# Altium PCB WUT-4-3-3.PcbDoc (part 3 of 4)
Units mil, origin at the board's own origin, x right, y up, seen from the top; angles counter-clockwise.
Board outline 3346.46 x 2204.72 mil, 4 copper layers (Top Layer, GND Plane, 3V3 Plane, Bottom Layer), stack 30.635 mil thick; 241 components, 333 nets, 1194 pads, 457 vias.
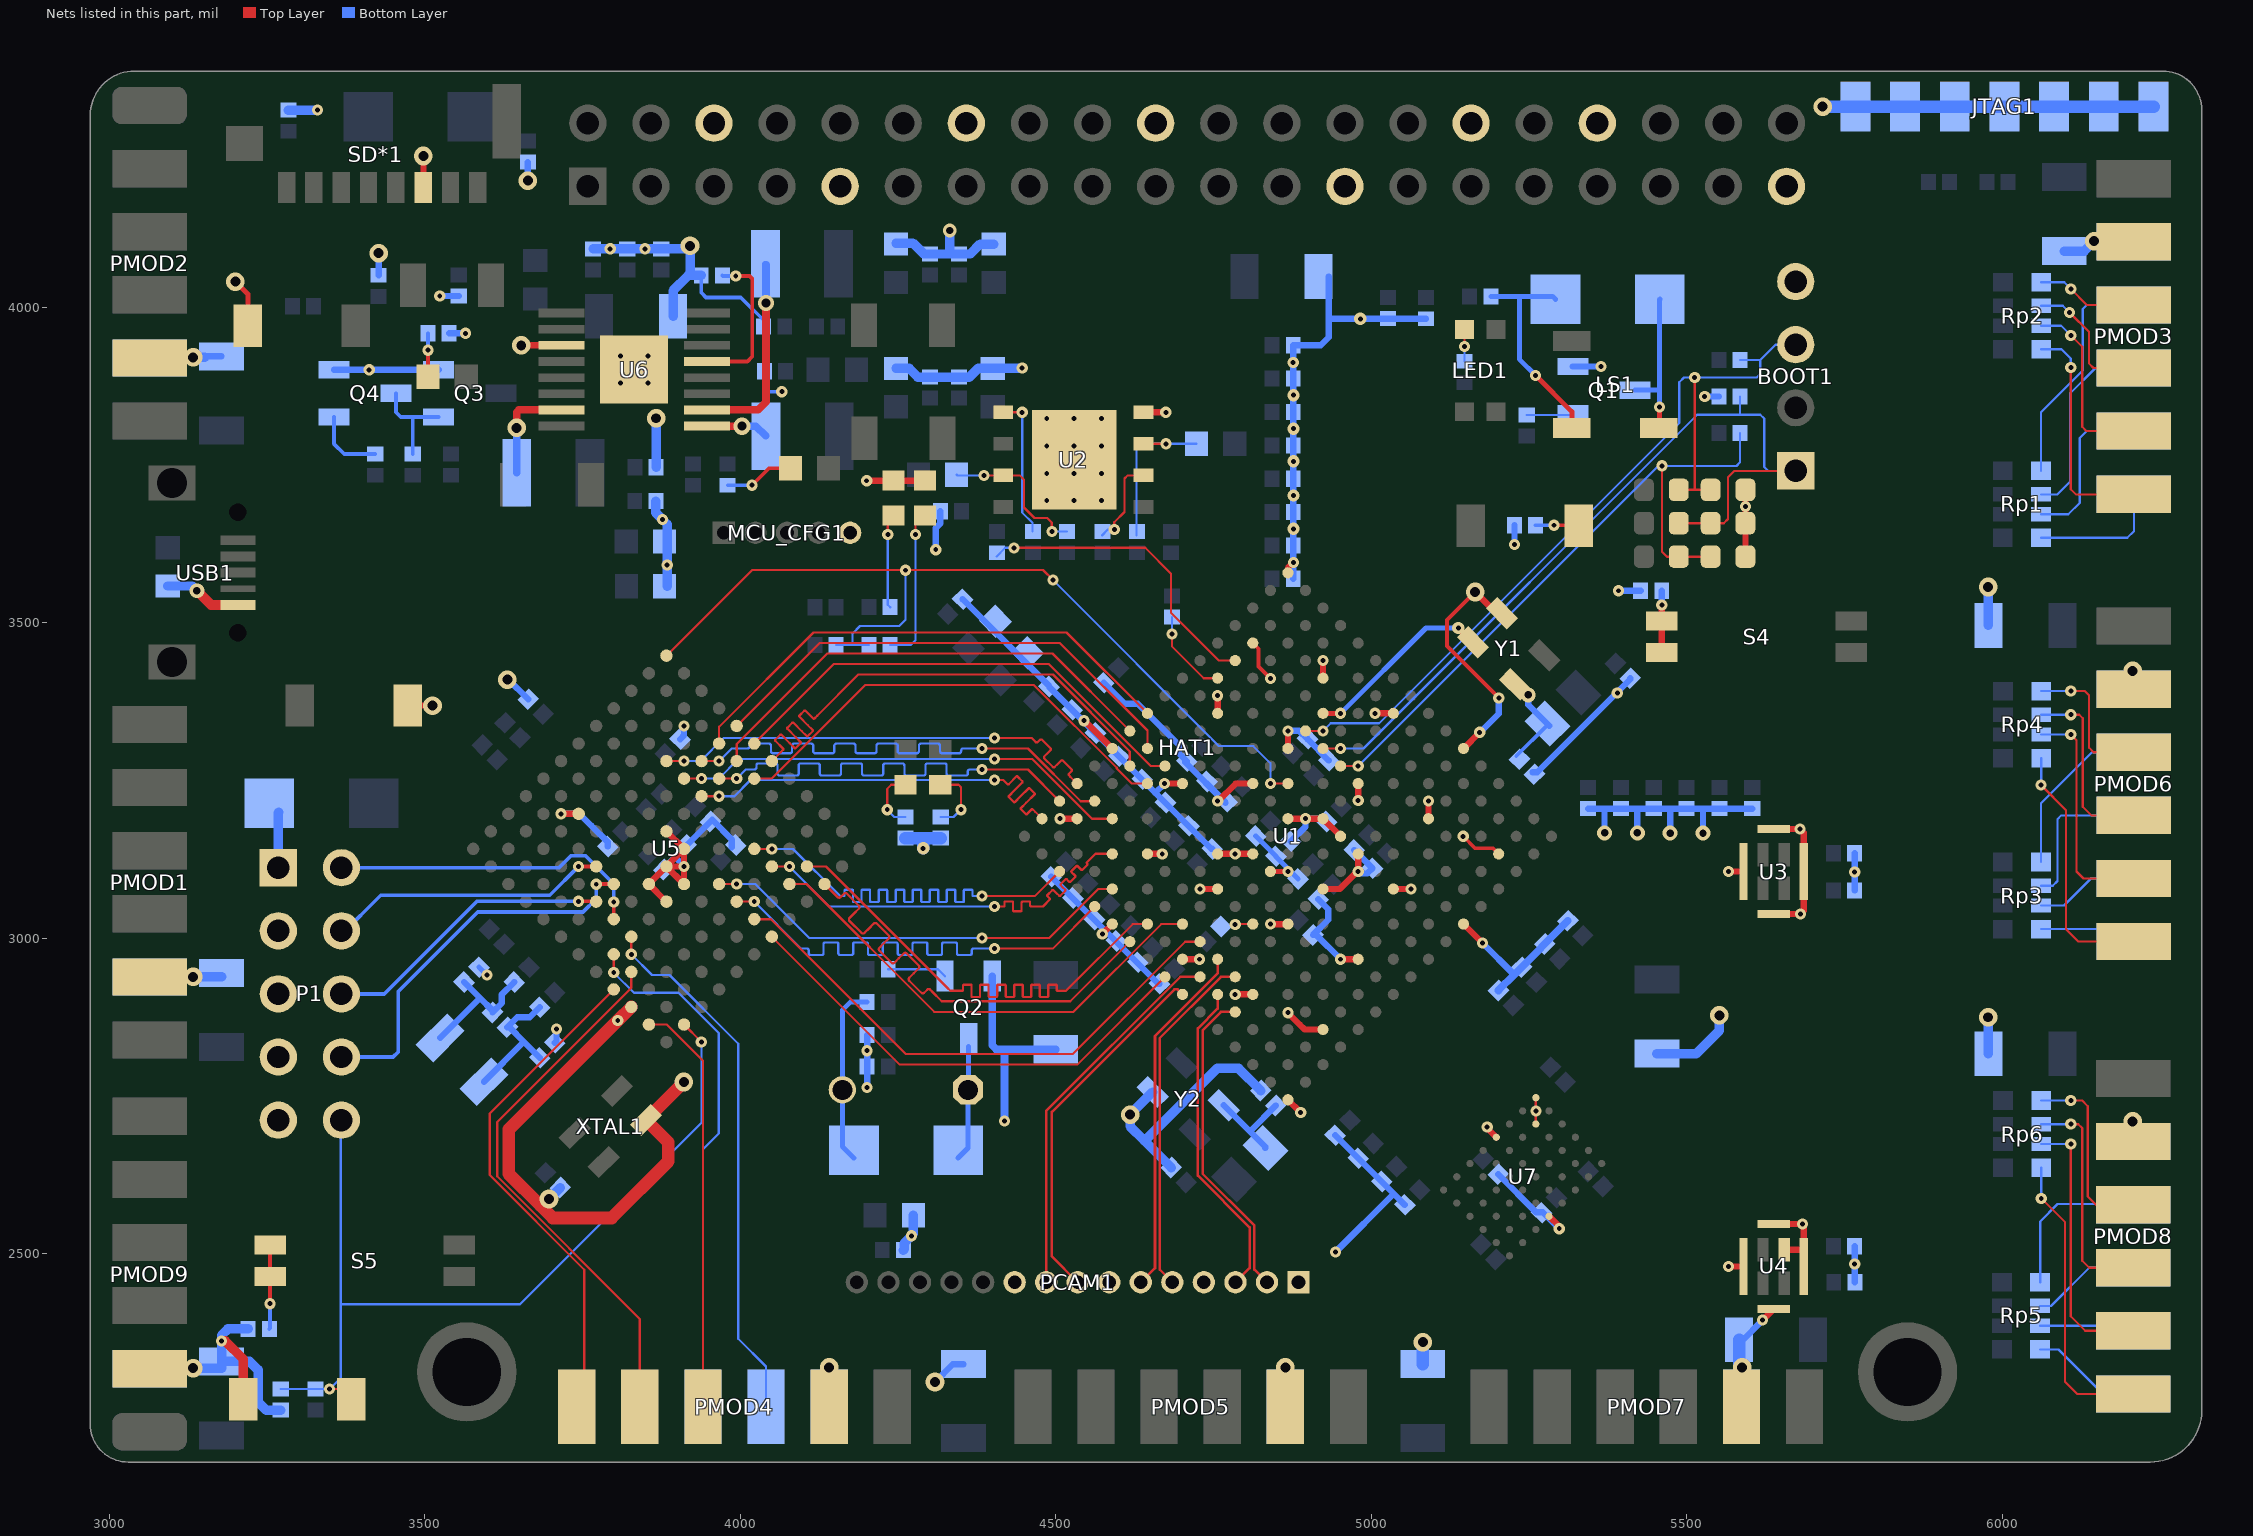
[diagram p5: the nets of this part, all layers, seen from the top]

## Via types
v1: diameter 17.72, hole 7.87, Top Layer to Bottom Layer, tented both sides, 363 vias
v2: diameter 29.53, hole 15.75, Top Layer to Bottom Layer, tented both sides, 51 vias
v3: diameter 19.68, hole 7.87, Top Layer to Bottom Layer, 16 vias
v4: diameter 23.62, hole 11.81, Top Layer to Bottom Layer, tented both sides, 11 vias
v5: diameter 19.68, hole 7.87, Top Layer to Bottom Layer, tented both sides, 9 vias
v6: diameter 25.59, hole 13.78, Top Layer to Bottom Layer, tented both sides, 3 vias
v7: diameter 25.59, hole 11.81, Top Layer to Bottom Layer, tented both sides, 2 vias
v8: diameter 21.65, hole 11.81, Top Layer to Bottom Layer, tented both sides, 1 vias
v9: diameter 27.56, hole 13.78, Top Layer to Bottom Layer, tented both sides, 1 vias

## Nets (pads, with @x,y where several pads share a name; then routed paths per layer and width w, separated by ;. In a path a pad name is that pad's centre, name@x,y a point inside that pad or via, vN(x,y) a via of type N, cw(c..) or ccw(c..) an arc to the next point about the centre after c; other vN are vias at no path point) (continued)
FB_AD20: U1.B12 U5.F9 | length 690.8
  Top Layer w3.5: U5.F9@3966.68,3086.16 v1(3994.52,3086.16) ; v1(4383.16,3000.52) 4489.9,3000.52 4567.7,3078.32 U1.B12@4589.77,3078.32
  Bottom Layer w3.5: v1(3994.52,3086.16) 4023.84,3086.16 4109.48,3000.52 v1(4383.16,3000.52)
FB_AD21: U1.A12 U5.F10 | length 818.9
  Top Layer w3.5: U5.F10@3994.52,3058.32 v1(4022.36,3058.32) ; v1(4403.16,2983.8) 4495.25,2983.8 U1.A12@4561.93,3050.48
  Bottom Layer w3.5: v1(4022.36,3058.32) 4096.87,2983.8 4106.27,2983.8 cw(c4106.27,2981.45) 4108.62,2981.45 4108.62,2976.15 ccw(c4110.97,2976.15) 4110.97,2973.8 4129.77,2973.8 ccw(c4129.77,2976.15) 4132.12,2976.15 4132.12,2983.8 4132.12,2991.17 cw(c4134.47,2991.17) 4134.47,2993.52 4153.27,2993.52 cw(c4153.27,2991.17) 4155.62,2991.17 4155.62,2983.8 4155.62,2976.15 ccw(c4157.97,2976.15) 4157.97,2973.8 4176.77,2973.8 ccw(c4176.77,2976.15) 4179.12,2976.15 4179.12,2983.8 4179.12,2991.17 cw(c4181.47,2991.17) 4181.47,2993.52 4200.27,2993.52 cw(c4200.27,2991.17) 4202.62,2991.17 4202.62,2983.8 4202.62,2976.15 ccw(c4204.97,2976.15) 4204.97,2973.8 4223.77,2973.8 ccw(c4223.77,2976.15) 4226.12,2976.15 4226.12,2983.8 4226.12,2991.17 cw(c4228.47,2991.17) 4228.47,2993.52 4247.27,2993.52 cw(c4247.27,2991.17) 4249.62,2991.17 4249.62,2983.8 4249.62,2976.15 ccw(c4251.97,2976.15) 4251.97,2973.8 4270.77,2973.8 ccw(c4270.77,2976.15) 4273.12,2976.15 4273.12,2983.8 4273.12,2991.17 cw(c4275.47,2991.17) 4275.47,2993.52 4294.27,2993.52 cw(c4294.27,2991.17) 4296.62,2991.17 4296.62,2983.8 4296.62,2976.15 ccw(c4298.97,2976.15) 4298.97,2973.8 4317.77,2973.8 ccw(c4317.77,2976.15) 4320.12,2976.15 4320.12,2983.8 4320.12,2991.17 cw(c4322.47,2991.17) 4322.47,2993.52 4341.27,2993.52 cw(c4341.27,2991.17) 4343.62,2991.17 4343.62,2983.8 4343.62,2976.15 ccw(c4345.97,2976.15) 4345.97,2973.8 4364.77,2973.8 ccw(c4364.77,2976.15) 4367.12,2976.15 4367.12,2981.45 cw(c4369.47,2981.45) 4369.47,2983.8 4371,2983.8 v1(4403.16,2983.8)
FB_AD22: U1.C8 U5.F11 | length 869
  Top Layer w3.5: U5.F11@4022.36,3030.48 4048.84,3030.48 4262.67,2816.65 4527.11,2816.65 4705.26,2994.81 U1.C8@4728.97,2994.81
FB_AD23: U1.A8 U5.F12 | length 764.7
  Top Layer w3.5: U5.F12@4050.19,3002.64 4252.9,2799.93 4534.1,2799.93 U1.A8@4673.29,2939.13
FB_AD24: U1.G16 U5.B6 | length 760.4
  Top Layer w3.5: U5.B6@3994.52,3281.03 3994.52,3308.19 4137.87,3451.54 4494.94,3451.54 U1.G16@4617.61,3328.87
FB_AD25: U1.C16 U5.C6 | length 729.1
  Top Layer w3.5: U5.C6@3966.68,3253.19 v1(3994.52,3253.19) ; v1(4383.16,3267.67) 4456.1,3267.67 U1.C16@4506.26,3217.52
  Bottom Layer w3.5: v1(3994.52,3253.19) 4009,3267.67 4022.4,3267.67 ccw(c4022.4,3271.02) 4025.75,3271.02 4025.75,3274.04 cw(c4029.1,3274.04) 4029.1,3277.39 4055.9,3277.39 cw(c4055.9,3274.04) 4059.25,3274.04 4059.25,3267.67 4059.25,3261.31 ccw(c4062.6,3261.31) 4062.6,3257.96 4089.4,3257.96 ccw(c4089.4,3261.31) 4092.75,3261.31 4092.75,3267.67 4092.75,3274.04 cw(c4096.1,3274.04) 4096.1,3277.39 4122.9,3277.39 cw(c4122.9,3274.04) 4126.25,3274.04 4126.25,3267.67 4126.25,3261.31 ccw(c4129.6,3261.31) 4129.6,3257.96 4156.4,3257.96 ccw(c4156.4,3261.31) 4159.75,3261.31 4159.75,3267.67 4159.75,3274.04 cw(c4163.1,3274.04) 4163.1,3277.39 4189.9,3277.39 cw(c4189.9,3274.04) 4193.25,3274.04 4193.25,3267.67 4193.25,3261.31 ccw(c4196.6,3261.31) 4196.6,3257.96 4223.4,3257.96 ccw(c4223.4,3261.31) 4226.75,3261.31 4226.75,3267.67 4226.75,3274.04 cw(c4230.1,3274.04) 4230.1,3277.39 4256.9,3277.39 cw(c4256.9,3274.04) 4260.25,3274.04 4260.25,3267.67 4260.25,3261.31 ccw(c4263.6,3261.31) 4263.6,3257.96 4290.4,3257.96 ccw(c4290.4,3261.31) 4293.75,3261.31 4293.75,3267.67 4293.75,3274.04 cw(c4297.1,3274.04) 4297.1,3277.39 4323.9,3277.39 cw(c4323.9,3274.04) 4327.25,3274.04 4327.25,3267.67 4327.25,3261.31 ccw(c4330.6,3261.31) 4330.6,3257.96 4357.4,3257.96 ccw(c4357.4,3261.31) 4360.75,3261.31 4360.75,3264.32 cw(c4364.1,3264.32) 4364.1,3267.67 4372,3267.67 v1(4383.16,3267.67)
FB_AD26: U1.B16 U5.D6 | length 701.2
  Top Layer w3.5: U5.D6@3938.84,3225.36 v1(3966.68,3225.36) ; v1(4403.16,3250.96) 4417.14,3250.96 4419.05,3249.05 4423.64,3244.46 ccw(c4424.59,3245.41) 4425.55,3244.46 4437.78,3256.69 cw(c4438.73,3255.74) 4439.69,3256.69 4447.32,3249.06 cw(c4446.37,3248.1) 4447.32,3247.15 4434.14,3233.96 4425.99,3225.81 ccw(c4426.95,3224.86) 4425.99,3223.9 4433.63,3216.27 ccw(c4434.58,3217.22) 4435.54,3216.27 4443.68,3224.41 4456.87,3237.6 cw(c4457.82,3236.65) 4458.78,3237.6 4466.42,3229.96 cw(c4465.46,3229.01) 4466.42,3228.05 4453.23,3214.87 4445.08,3206.72 ccw(c4446.04,3205.77) 4445.08,3204.81 4452.72,3197.18 ccw(c4453.68,3198.13) 4454.63,3197.18 4461.82,3204.37 cw(c4462.77,3203.41) 4463.73,3204.37 4467.55,3200.55 U1.B16@4478.42,3189.68
  Bottom Layer w3.5: v1(3966.68,3225.36) 3990.87,3225.35 4016.47,3250.96 4210,3250.96 4392,3250.96 v1(4403.16,3250.96)
FB_AD27: U1.F15 U5.A7 | length 859.7
  Top Layer w3.5: U5.A7@4050.19,3281.03 4064.24,3295.08 4068.06,3298.9 ccw(c4067.11,3299.85) 4068.06,3300.81 4055.83,3313.04 cw(c4056.78,3314) 4055.83,3314.95 4063.47,3322.59 cw(c4064.42,3321.63) 4065.37,3322.59 4078.56,3309.4 4086.24,3301.72 ccw(c4087.19,3302.68) 4088.15,3301.72 4095.79,3309.36 ccw(c4094.83,3310.31) 4095.79,3311.27 4088.11,3318.95 4074.92,3332.13 cw(c4075.87,3333.09) 4074.92,3334.04 4082.56,3341.68 cw(c4083.51,3340.73) 4084.47,3341.68 4097.65,3328.49 4105.33,3320.82 ccw(c4106.29,3321.77) 4107.24,3320.82 4114.88,3328.45 ccw(c4113.92,3329.41) 4114.88,3330.36 4107.2,3338.04 4094.01,3351.23 cw(c4094.97,3352.18) 4094.01,3353.14 4101.65,3360.77 cw(c4102.6,3359.82) 4103.56,3360.77 4115.79,3348.54 ccw(c4116.75,3349.49) 4117.7,3348.54 4122.08,3352.92 4187.28,3418.11 4495.82,3418.11 4617.61,3296.32 U1.F15@4617.61,3273.19
FB_AD28: U1.B10 U5.C11 | length 864.9
  Top Layer w3.5: U5.C11@4105.87,3114 4136,3114 4324,2926 4328.77,2921.23 4333.06,2916.94 4339.81,2916.94 4351.96,2916.94 ccw(c4351.96,2918.29) 4353.31,2918.29 4353.31,2925.31 cw(c4354.66,2925.31) 4354.66,2926.66 4365.46,2926.66 cw(c4365.46,2925.31) 4366.81,2925.31 4366.81,2916.94 4366.81,2908.58 ccw(c4368.16,2908.58) 4368.16,2907.23 4378.96,2907.23 ccw(c4378.96,2908.58) 4380.31,2908.58 4380.31,2916.94 4380.31,2925.31 cw(c4381.66,2925.31) 4381.66,2926.66 4392.46,2926.66 cw(c4392.46,2925.31) 4393.81,2925.31 4393.81,2916.94 4393.81,2908.58 ccw(c4395.16,2908.58) 4395.16,2907.23 4405.96,2907.23 ccw(c4405.96,2908.58) 4407.31,2908.58 4407.31,2916.94 4407.31,2925.31 cw(c4408.66,2925.31) 4408.66,2926.66 4419.46,2926.66 cw(c4419.46,2925.31) 4420.81,2925.31 4420.81,2916.94 4420.81,2908.58 ccw(c4422.16,2908.58) 4422.16,2907.23 4432.96,2907.23 ccw(c4432.96,2908.58) 4434.31,2908.58 4434.31,2916.94 4434.31,2925.31 cw(c4435.66,2925.31) 4435.66,2926.66 4446.46,2926.66 cw(c4446.46,2925.31) 4447.81,2925.31 4447.81,2916.94 4447.81,2908.58 ccw(c4449.16,2908.58) 4449.16,2907.23 4459.96,2907.23 ccw(c4459.96,2908.58) 4461.31,2908.58 4461.31,2916.94 4461.31,2925.31 cw(c4462.66,2925.31) 4462.66,2926.66 4473.46,2926.66 cw(c4473.46,2925.31) 4474.81,2925.31 4474.81,2916.94 4474.81,2908.58 ccw(c4476.16,2908.58) 4476.16,2907.23 4486.96,2907.23 ccw(c4486.96,2908.58) 4488.31,2908.58 4488.31,2916.94 4488.31,2925.31 cw(c4489.66,2925.31) 4489.66,2926.66 4500.46,2926.66 cw(c4500.46,2925.31) 4501.81,2925.31 4501.81,2918.29 ccw(c4503.16,2918.29) 4503.16,2916.94 4511,2916.94 4516.35,2916.94 4622.05,3022.64 U1.B10@4645.45,3022.64
FB_AD29: U1.A10 U5.C12 | length 745.3
  Top Layer w3.5: U5.C12@4133.71,3086.16 4144.87,3075 4154.35,3065.52 ccw(c4156.72,3067.89) 4159.08,3065.52 4164.46,3070.9 cw(c4166.83,3068.53) 4169.2,3070.9 4188.15,3051.95 cw(c4185.78,3049.58) 4188.15,3047.21 4180.4,3039.47 4173.4,3032.46 ccw(c4175.77,3030.09) 4173.4,3027.73 4192.35,3008.77 ccw(c4194.72,3011.14) 4197.09,3008.77 4204.09,3015.78 4211.84,3023.53 cw(c4214.21,3021.16) 4216.58,3023.53 4235.53,3004.58 cw(c4233.16,3002.21) 4235.53,2999.84 4227.78,2992.09 4220.78,2985.09 ccw(c4223.14,2982.72) 4220.78,2980.35 4239.73,2961.4 ccw(c4242.09,2963.77) 4244.46,2961.4 4251.47,2968.4 4259.21,2976.15 cw(c4261.58,2973.78) 4263.95,2976.15 4282.9,2957.2 cw(c4280.53,2954.83) 4282.9,2952.46 4275.16,2944.72 4268.15,2937.71 ccw(c4270.52,2935.34) 4268.15,2932.97 4287.1,2914.02 ccw(c4289.47,2916.39) 4291.84,2914.02 4296.48,2918.66 cw(c4298.84,2916.29) 4301.21,2918.66 4303.99,2915.89 4319.65,2900.23 4523.03,2900.23 U1.A10@4617.61,2994.81
FB_AD30: U1.A14 U5.D9 | length 803.8
  Top Layer w3.5: U5.D9@4022.36,3141.84 v1(4050.19,3141.84) ; v1(4383.16,3067.38) 4467.48,3067.38 U1.A14@4506.26,3106.16
  Bottom Layer w3.5: v1(4050.19,3141.84) 4083.85,3141.84 4158.31,3067.38 4158.77,3067.38 4164.16,3067.38 ccw(c4164.16,3068.73) 4165.52,3068.73 4165.52,3075.75 cw(c4166.86,3075.75) 4166.86,3077.1 4177.66,3077.1 cw(c4177.66,3075.75) 4179.02,3075.75 4179.02,3067.38 4179.02,3059.01 ccw(c4180.36,3059.01) 4180.36,3057.66 4191.16,3057.66 ccw(c4191.16,3059.01) 4192.52,3059.01 4192.52,3067.38 4192.52,3075.75 cw(c4193.86,3075.75) 4193.86,3077.1 4204.66,3077.1 cw(c4204.66,3075.75) 4206.02,3075.75 4206.02,3067.38 4206.02,3059.01 ccw(c4207.36,3059.01) 4207.36,3057.66 4218.16,3057.66 ccw(c4218.16,3059.01) 4219.52,3059.01 4219.52,3067.38 4219.52,3075.75 cw(c4220.86,3075.75) 4220.86,3077.1 4231.66,3077.1 cw(c4231.66,3075.75) 4233.02,3075.75 4233.02,3067.38 4233.02,3059.01 ccw(c4234.36,3059.01) 4234.36,3057.66 4245.16,3057.66 ccw(c4245.16,3059.01) 4246.52,3059.01 4246.52,3067.38 4246.52,3075.75 cw(c4247.86,3075.75) 4247.86,3077.1 4258.66,3077.1 cw(c4258.66,3075.75) 4260.02,3075.75 4260.02,3067.38 4260.02,3059.01 ccw(c4261.36,3059.01) 4261.36,3057.66 4272.16,3057.66 ccw(c4272.16,3059.01) 4273.52,3059.01 4273.52,3067.38 4273.52,3075.75 cw(c4274.86,3075.75) 4274.86,3077.1 4285.66,3077.1 cw(c4285.66,3075.75) 4287.02,3075.75 4287.02,3067.38 4287.02,3059.01 ccw(c4288.36,3059.01) 4288.36,3057.66 4299.16,3057.66 ccw(c4299.16,3059.01) 4300.52,3059.01 4300.52,3067.38 4300.52,3075.75 cw(c4301.86,3075.75) 4301.86,3077.1 4312.66,3077.1 cw(c4312.66,3075.75) 4314.02,3075.75 4314.02,3067.38 4314.02,3059.01 ccw(c4315.36,3059.01) 4315.36,3057.66 4326.16,3057.66 ccw(c4326.16,3059.01) 4327.52,3059.01 4327.52,3067.38 4327.52,3075.75 cw(c4328.86,3075.75) 4328.86,3077.1 4339.66,3077.1 cw(c4339.66,3075.75) 4341.02,3075.75 4341.02,3067.38 4341.02,3059.01 ccw(c4342.36,3059.01) 4342.36,3057.66 4353.16,3057.66 ccw(c4353.16,3059.01) 4354.52,3059.01 4354.52,3067.38 4354.52,3075.75 cw(c4355.86,3075.75) 4355.86,3077.1 4366.66,3077.1 cw(c4366.66,3075.75) 4368.02,3075.75 4368.02,3068.73 ccw(c4369.36,3068.73) 4369.36,3067.38 4373,3067.38 v1(4383.16,3067.38)
FB_AD31: U1.C13 U5.D10 | length 703
  Top Layer w3.5: U5.D10@4050.19,3114 v1(4078.03,3114) ; v1(4403.16,3050.67) 4405.58,3050.67 4417.73,3050.67 ccw(c4417.73,3052.02) 4419.08,3052.02 4419.08,3056.99 cw(c4420.43,3056.99) 4420.43,3058.34 4431.23,3058.34 cw(c4431.23,3056.99) 4432.58,3056.99 4432.58,3050.67 4432.58,3044.34 ccw(c4433.93,3044.34) 4433.93,3042.99 4444.73,3042.99 ccw(c4444.73,3044.34) 4446.08,3044.34 4446.08,3050.67 4446.08,3056.99 cw(c4447.43,3056.99) 4447.43,3058.34 4458.23,3058.34 cw(c4458.23,3056.99) 4459.58,3056.99 4459.58,3052.02 ccw(c4460.93,3052.02) 4460.93,3050.67 4473.08,3050.67 4479.83,3050.67 4491,3061.84 ccw(c4490.43,3062.41) 4491,3062.97 4487.09,3066.88 cw(c4488.05,3067.83) 4487.09,3068.79 4494.73,3076.43 cw(c4495.68,3075.47) 4496.64,3076.43 4501.11,3071.95 4505.59,3067.48 ccw(c4506.54,3068.43) 4507.5,3067.48 4515.13,3075.11 ccw(c4514.18,3076.07) 4515.13,3077.02 4510.66,3081.5 4508.02,3084.14 cw(c4508.97,3085.09) 4508.02,3086.05 4515.65,3093.69 cw(c4516.61,3092.73) 4517.56,3093.69 4520.2,3091.04 4521.53,3089.72 ccw(c4522.48,3090.68) 4523.43,3089.72 4531.07,3097.36 ccw(c4530.12,3098.31) 4531.07,3099.27 4529.75,3100.59 4525.28,3105.06 cw(c4526.23,3106.02) 4525.28,3106.97 4532.91,3114.61 cw(c4533.87,3113.65) 4534.82,3114.61 4539.3,3110.14 4540.63,3108.8 ccw(c4541.59,3109.75) 4542.54,3108.8 4550.18,3116.43 ccw(c4549.23,3117.39) 4550.18,3118.34 4549.8,3118.73 cw(c4550.75,3119.68) 4549.8,3120.64 4558.39,3129.23 4563.16,3134 U1.C13@4589.77,3134
  Bottom Layer w3.5: v1(4078.03,3114) 4141.37,3050.67 v1(4403.16,3050.67)
FB_ALE: U1.G15 U5.A5 | length 791.4
  Top Layer w3.5: U5.A5@3994.52,3336.71 4126.07,3468.26 4506.74,3468.26 4645.45,3329.55 U1.G15@4645.45,3301.03
FB_BE7_0: U1.H16 U5.B5 | length 820.9
  Top Layer w3.5: U5.B5@3966.68,3308.87 3966.68,3335.36 4116.3,3484.98 4518.16,3484.98 4518.16,3484 U1.H16@4645.45,3356.71
FB_BE15_8: U1.D15 U5.C5 | length 787.9
  Top Layer w3.5: U5.C5@3938.84,3281.03 v1(3966.68,3281.03) ; v1(4383.16,3301.11) 4456.27,3301.11 4539.86,3217.52 U1.D15@4561.93,3217.52
  Bottom Layer w3.5: v1(3966.68,3281.03) 3986.75,3301.11 3994.52,3301.11 4011.9,3301.11 ccw(c4011.9,3304.46) 4015.25,3304.46 4015.25,3305.43 cw(c4018.6,3305.43) 4018.6,3308.78 4045.4,3308.78 cw(c4045.4,3305.43) 4048.75,3305.43 4048.75,3301.11 4048.75,3296.78 ccw(c4052.1,3296.78) 4052.1,3293.43 4078.9,3293.43 ccw(c4078.9,3296.78) 4082.25,3296.78 4082.25,3301.11 4082.25,3305.43 cw(c4085.6,3305.43) 4085.6,3308.78 4112.4,3308.78 cw(c4112.4,3305.43) 4115.75,3305.43 4115.75,3301.11 4115.75,3296.78 ccw(c4119.1,3296.78) 4119.1,3293.43 4145.9,3293.43 ccw(c4145.9,3296.78) 4149.25,3296.78 4149.25,3301.11 4149.25,3305.43 cw(c4152.6,3305.43) 4152.6,3308.78 4179.4,3308.78 cw(c4179.4,3305.43) 4182.75,3305.43 4182.75,3301.11 4182.75,3296.78 ccw(c4186.1,3296.78) 4186.1,3293.43 4212.9,3293.43 ccw(c4212.9,3296.78) 4216.25,3296.78 4216.25,3301.11 4216.25,3305.43 cw(c4219.6,3305.43) 4219.6,3308.78 4246.4,3308.78 cw(c4246.4,3305.43) 4249.75,3305.43 4249.75,3301.11 4249.75,3296.78 ccw(c4253.1,3296.78) 4253.1,3293.43 4279.9,3293.43 ccw(c4279.9,3296.78) 4283.25,3296.78 4283.25,3301.11 4283.25,3305.43 cw(c4286.6,3305.43) 4286.6,3308.78 4313.4,3308.78 cw(c4313.4,3305.43) 4316.75,3305.43 4316.75,3301.11 4316.75,3296.78 ccw(c4320.1,3296.78) 4320.1,3293.43 4346.9,3293.43 ccw(c4346.9,3296.78) 4350.25,3296.78 4350.25,3297.76 cw(c4353.6,3297.76) 4353.6,3301.11 4367,3301.11 v1(4383.16,3301.11)
FB_BE23_16: U1.G14 U5.A6 | length 770.1
  Top Layer w3.5: U5.A6@4022.36,3308.87 4148.31,3434.83 4489.01,3434.83 4650.64,3273.19 U1.G14@4673.29,3273.19
FB_BE31_24: U1.D14 U5.D5 | length 730.9
  Top Layer w3.5: U5.D5@3911,3253.19 v1(3938.84,3253.19) ; v1(4403.16,3284.39) 4462.99,3284.39 4557.7,3189.68 U1.D14@4589.77,3189.68
  Bottom Layer w3.5: v1(3938.84,3253.19) 3965.87,3253.19 3997.07,3284.39 v1(4403.16,3284.39)
FB_CS0: U1.D16 U5.D4 | length 744.4
  Top Layer w3.5: U5.D4@3883.16,3281.03 v1(3911,3281.03) ; v1(4403.16,3317.82) 4461.63,3317.82 4468.28,3311.17 ccw(c4469.94,3312.84) 4471.6,3311.17 4475.18,3314.75 cw(c4476.84,3313.09) 4478.5,3314.75 4491.8,3301.46 cw(c4490.14,3299.8) 4491.8,3298.14 4486.56,3292.9 4482.13,3288.47 ccw(c4483.79,3286.81) 4482.13,3285.15 4495.42,3271.85 ccw(c4497.08,3273.51) 4498.75,3271.85 4503.17,3276.28 4508.41,3281.52 cw(c4510.08,3279.86) 4511.74,3281.52 4525.03,3268.23 cw(c4523.37,3266.57) 4525.03,3264.9 4521.45,3261.32 ccw(c4523.11,3259.66) 4521.45,3258 4523.23,3256.23 U1.D16@4534.1,3245.36
  Bottom Layer w3.5: v1(3911,3281.03) 3937.36,3281.03 3974.14,3317.82 v1(4403.16,3317.82)
FB_OE: U1.C9 U5.D11 | length 764.7
  Top Layer w3.5: U5.D11@4078.03,3086.16 4105.07,3086.16 4307.72,2883.51 4528.39,2883.51 4667.52,3022.64 U1.C9@4701.13,3022.64
FB_RW: U1.F14 U5.B7 | length 749.8
  Top Layer w3.5: U5.B7@4022.36,3253.19 4049.52,3253.19 4197.72,3401.4 4465.7,3401.4 4596.77,3270.33 4596.77,3269.17 4620.58,3245.36 U1.F14@4645.45,3245.36
FPGA_INIT: R5.1 R8.2 U1.K10 U5.A1 | length 1442.9
  Top Layer w3.5: U5.A1@3883.16,3448.07 4019.1,3584 4480.07,3584 v1(4496.07,3568) ; v1(4840.32,3245.35) U1.K10@4868.16,3245.36
  Bottom Layer w3.5: R5.1@4152.1,3464.83 4178,3464.83 ; R8.2@4204.27,3464.83 4178,3464.83 ; v1(4262.16,3583.49) 4262.16,3505.14 4252.02,3495 4189.98,3495 4178,3483.02 4178,3464.83 ; v1(4496.07,3568) 4496.07,3567.53 4758.86,3304.74 4813.32,3304.74 4840.32,3277.74 v1(4840.32,3245.35)
FTM1_QDA: PMOD4.9 U5.K8 | length 849.4
  Top Layer w3.5: v1(3827.48,2974.81) U5.K8@3827.48,3002.64
  Bottom Layer w3.5: v1(3827.48,2974.81) 3860.29,2942 3888.13,2942 3997,2833.13 3997,2365.5 4041,2321.5 PMOD4.9@4041,2258
FTM1_QDB: PMOD4.10 U5.L8 | length 837.4
  Top Layer w3.5: v1(3799.64,2945.75) U5.L8@3799.64,2974.81
  Bottom Layer w3.5: v1(3799.64,2945.75) 3831.66,2913.73 3902.27,2913.73 3966,2850 3966,2690.64 3941,2665.64 PMOD4.10@3941,2258
FTM2_QDA: PMOD4.6 U5.M9 | length 777.7
  Top Layer w3.5: PMOD4.6@3753,2285 3753,2474.93 3603,2624.93 3603,2722.48 U5.M9@3799.64,2919.13
FTM2_QDB: PMOD4.5 U5.L9 | length 870.7
  Top Layer w3.5: U5.L9@3827.48,2946.97 3827.48,2921.48 3614.86,2708.86 3614.86,2622.97 3841,2396.83 PMOD4.5@3841,2258
GCLK: U1.N11 Y1.3 | length 300.4
  Top Layer w8: U1.N11@4923.84,3356.71 v1(4951.68,3356.71) ; v5@5138,3492 v5(5138.24,3492) 5153.61,3476.64 Y1.3@5153.61,3468.43
  Bottom Layer w8: v1(4951.68,3356.71) 5086.97,3492 v5@5138,3492
GND: BOOT1.4 C1.2 C2.1 C3.1 C4.1 C5.1 C6.2 C8.2 C9.2 C10.1 C11.1 C12.1 C13.1 C14.1 C15.1 C16.1 C17.1 C18.1 C19.1 C20.1 C21.1 C22.1 C23.1 C24.1 C25.1 C26.1 C27.1 C28.1 C29.1 C30.1 C31.1 C32.1 C33.1 C34.1 C35.1 C36.1 C37.1 C38.1 C39.1 C40.1 C41.1 C42.1 C43.1 C44.1 C45.1 C46.1 C47.1 C48.1 C49.1 C50.1 C51.1 C52.1 C53.1 C54.1 C55.1 C56.1 C57.1 C58.1 C59.1 C60.1 C61.1 C62.1 C63.1 C64.1 C65.1 C66.1 C67.1 C68.1 C69.1 C70.1 C71.1 C72.1 C73.1 C74.1 C75.1 C76.1 C77.2 C78.1 C79.2 C80.1 C81.1 C82.1 C83.2 C84.1 C85.1 C86.1 C87.1 C88.1 C89.1 C90.1 C91.1 C92.1 C93.1 C94.1 C95.1 C96.1 C97.1 C98.1 C99.2 C100.2 C101.2 C102.1 C103.1 C104.1 C105.2 C106.1 C107.1 C108.1 HAT1.6 HAT1.9 HAT1.14 HAT1.20 HAT1.25 HAT1.30 HAT1.34 HAT1.39 JTAG1.1 JTAG1.3 JTAG1.5 JTAG1.7 JTAG1.9 JTAG1.11 JTAG1.13 L1.2 L2.2 L3.1 MCU_CFG1.5 P1.3 P1.5 P1.7 P1.9 PCAM1.1 PCAM1.4 PCAM1.7 PCAM1.10 PMOD1.2 PMOD1.8 PMOD2.2 PMOD2.8 PMOD3.2 PMOD3.8 PMOD4.2 PMOD4.8 PMOD5.2 PMOD5.8 PMOD6.2 PMOD6.8 PMOD7.2 PMOD7.8 PMOD8.2 PMOD8.8 PMOD9.2 PMOD9.8 Q1.2 Q2.2 Q3.2 Q4.2 R10.2 R15.1 R16.1 R17.1 R33.2 R34.2 R35.2 R37.2 R38.2 R39.2 R46.1 R47.1 R51.1 R52.1 R53.1 R55.1 R61.2 S1.1 S3.2 S6.1 SD*1.6 U1.A1 U1.A11 U1.B8 U1.C5 U1.C15 U1.D2 U1.D12 U1.E9 U1.F6 U1.F10 U1.F16 U1.G3 U1.G9 U1.G13 U1.H6 U1.J9 U1.J11 U1.K4 U1.K6 U1.K7 U1.K8 U1.K14 U1.L1 U1.L11 U1.M8 U1.N5 U1.N15 U1.P2 U1.P12 U1.R9 U1.T6 U1.T16 U2.4 U2.9 U3.5 U3.6 U3.7 U3.8 U4.3 U4.5 U4.6 U4.7 U4.8 U5.F6 U5.F7 U5.G7 U5.G8 U5.H3 U5.H7 U5.H8 U5.M10 U6.3 U6.17 U7.A1 U7.B2 U7.D1 U7.E6 USB1.5 XTAL1.2 Y1.2 Y2.2 | length 12057.8